# KiCad board VNA.kicad_pcb
title: LibreVNA Kicad PCB; company: LibreVNA
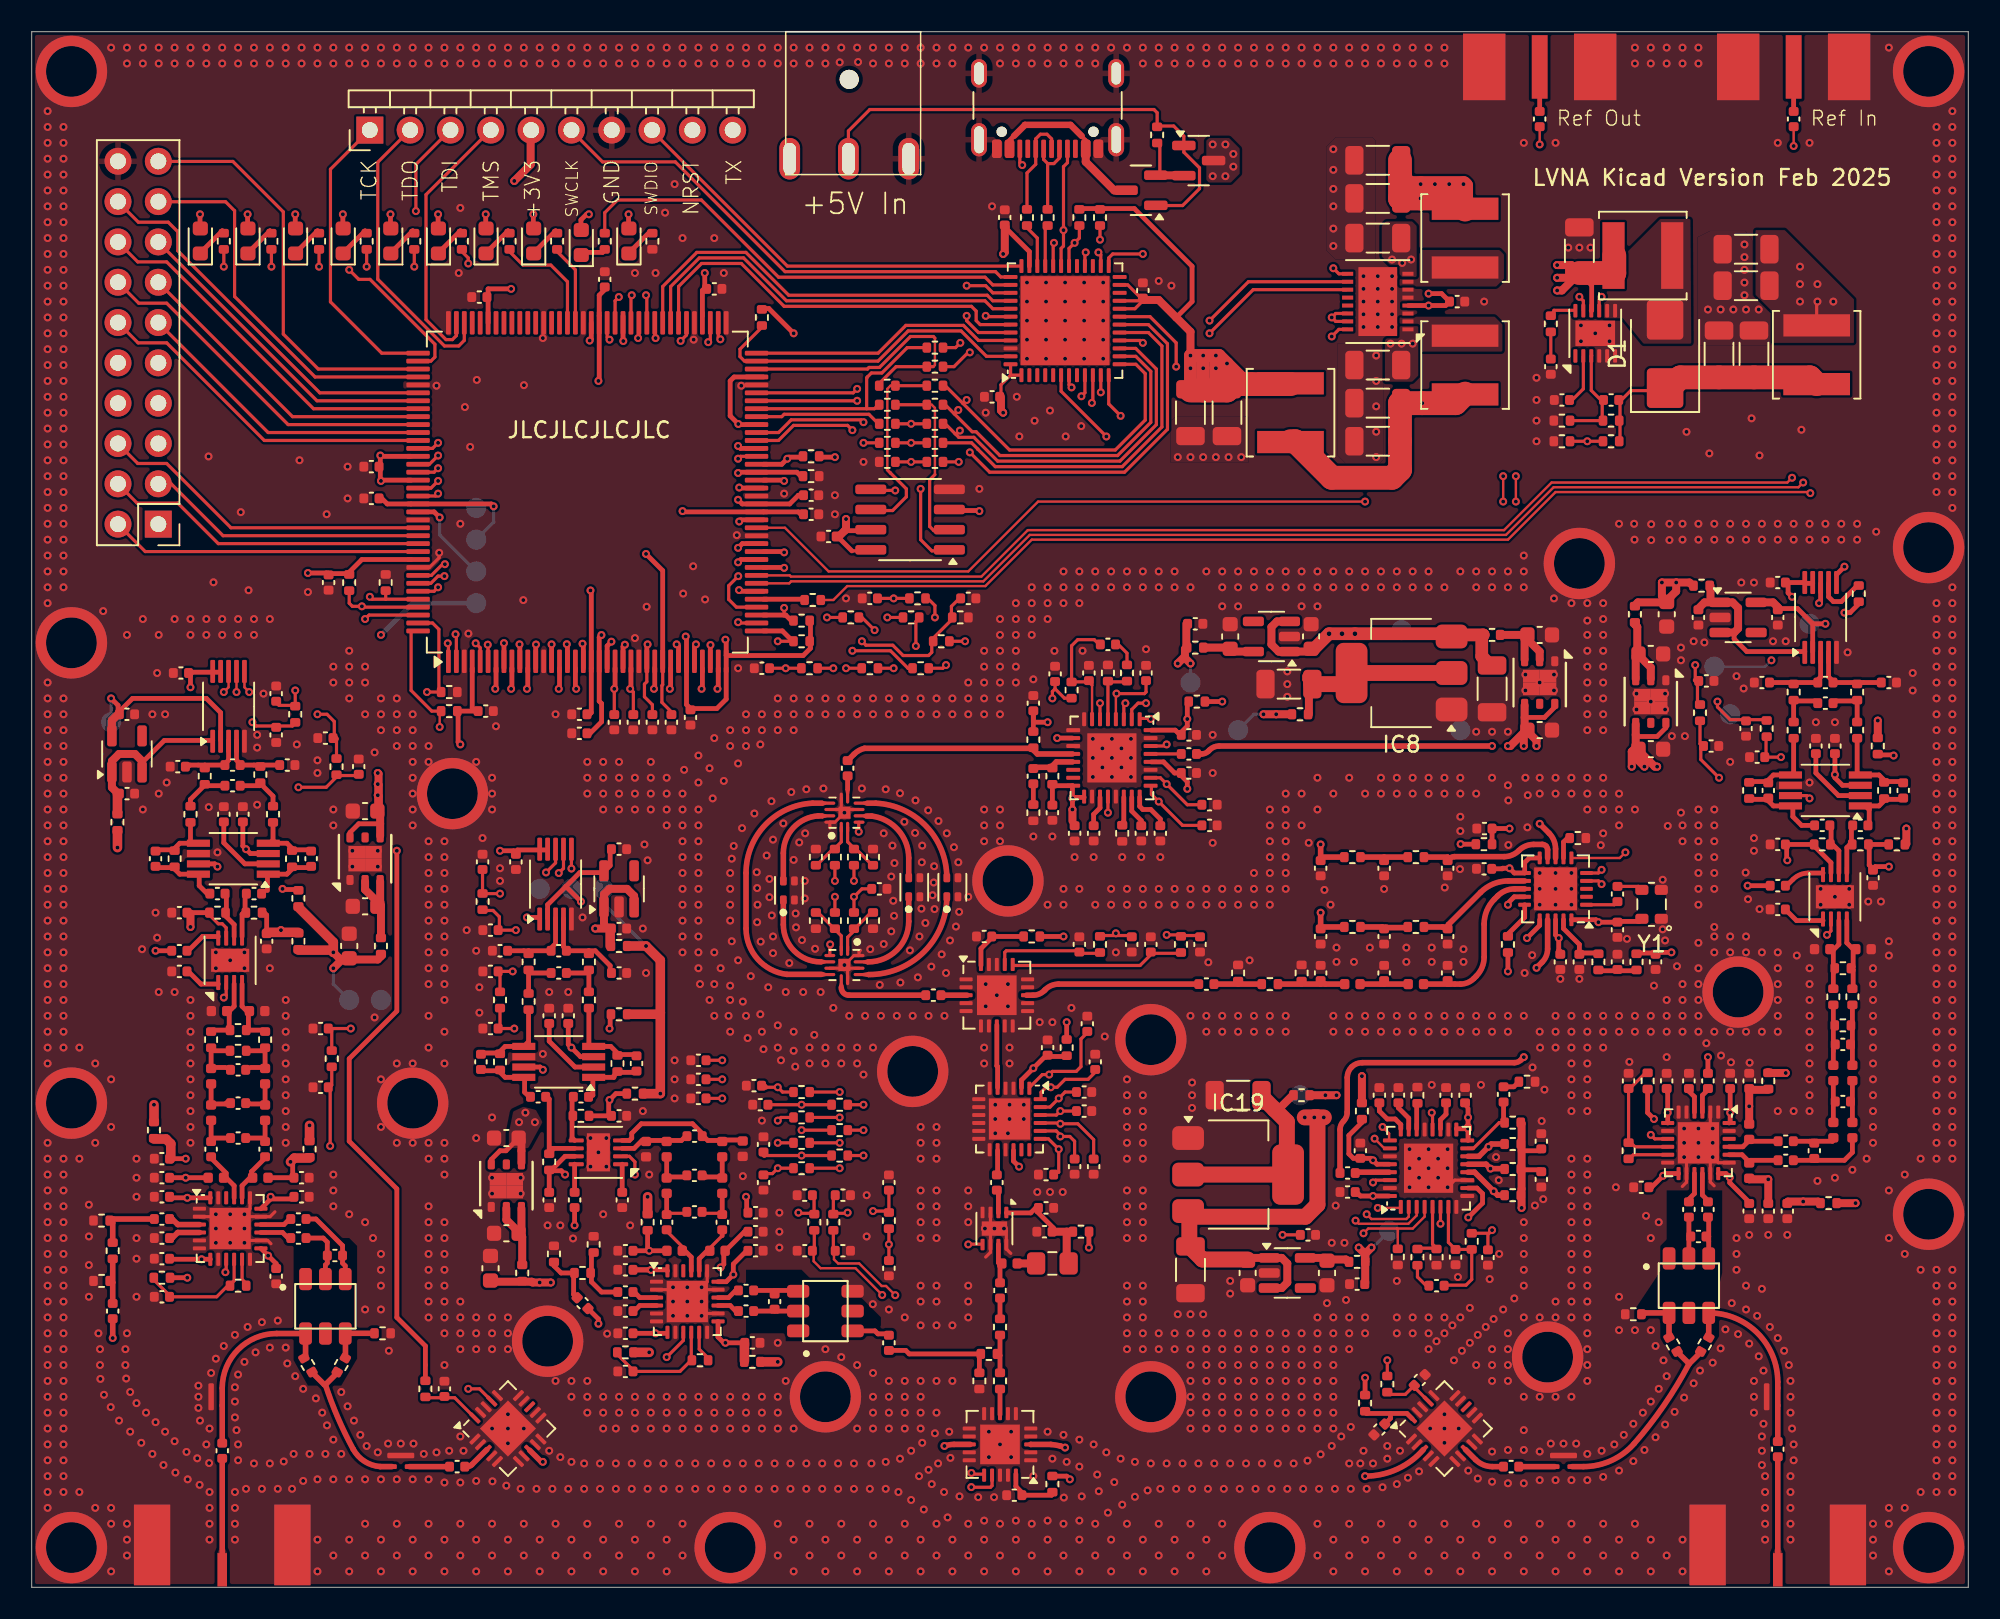
[diagram p0: board, top side]
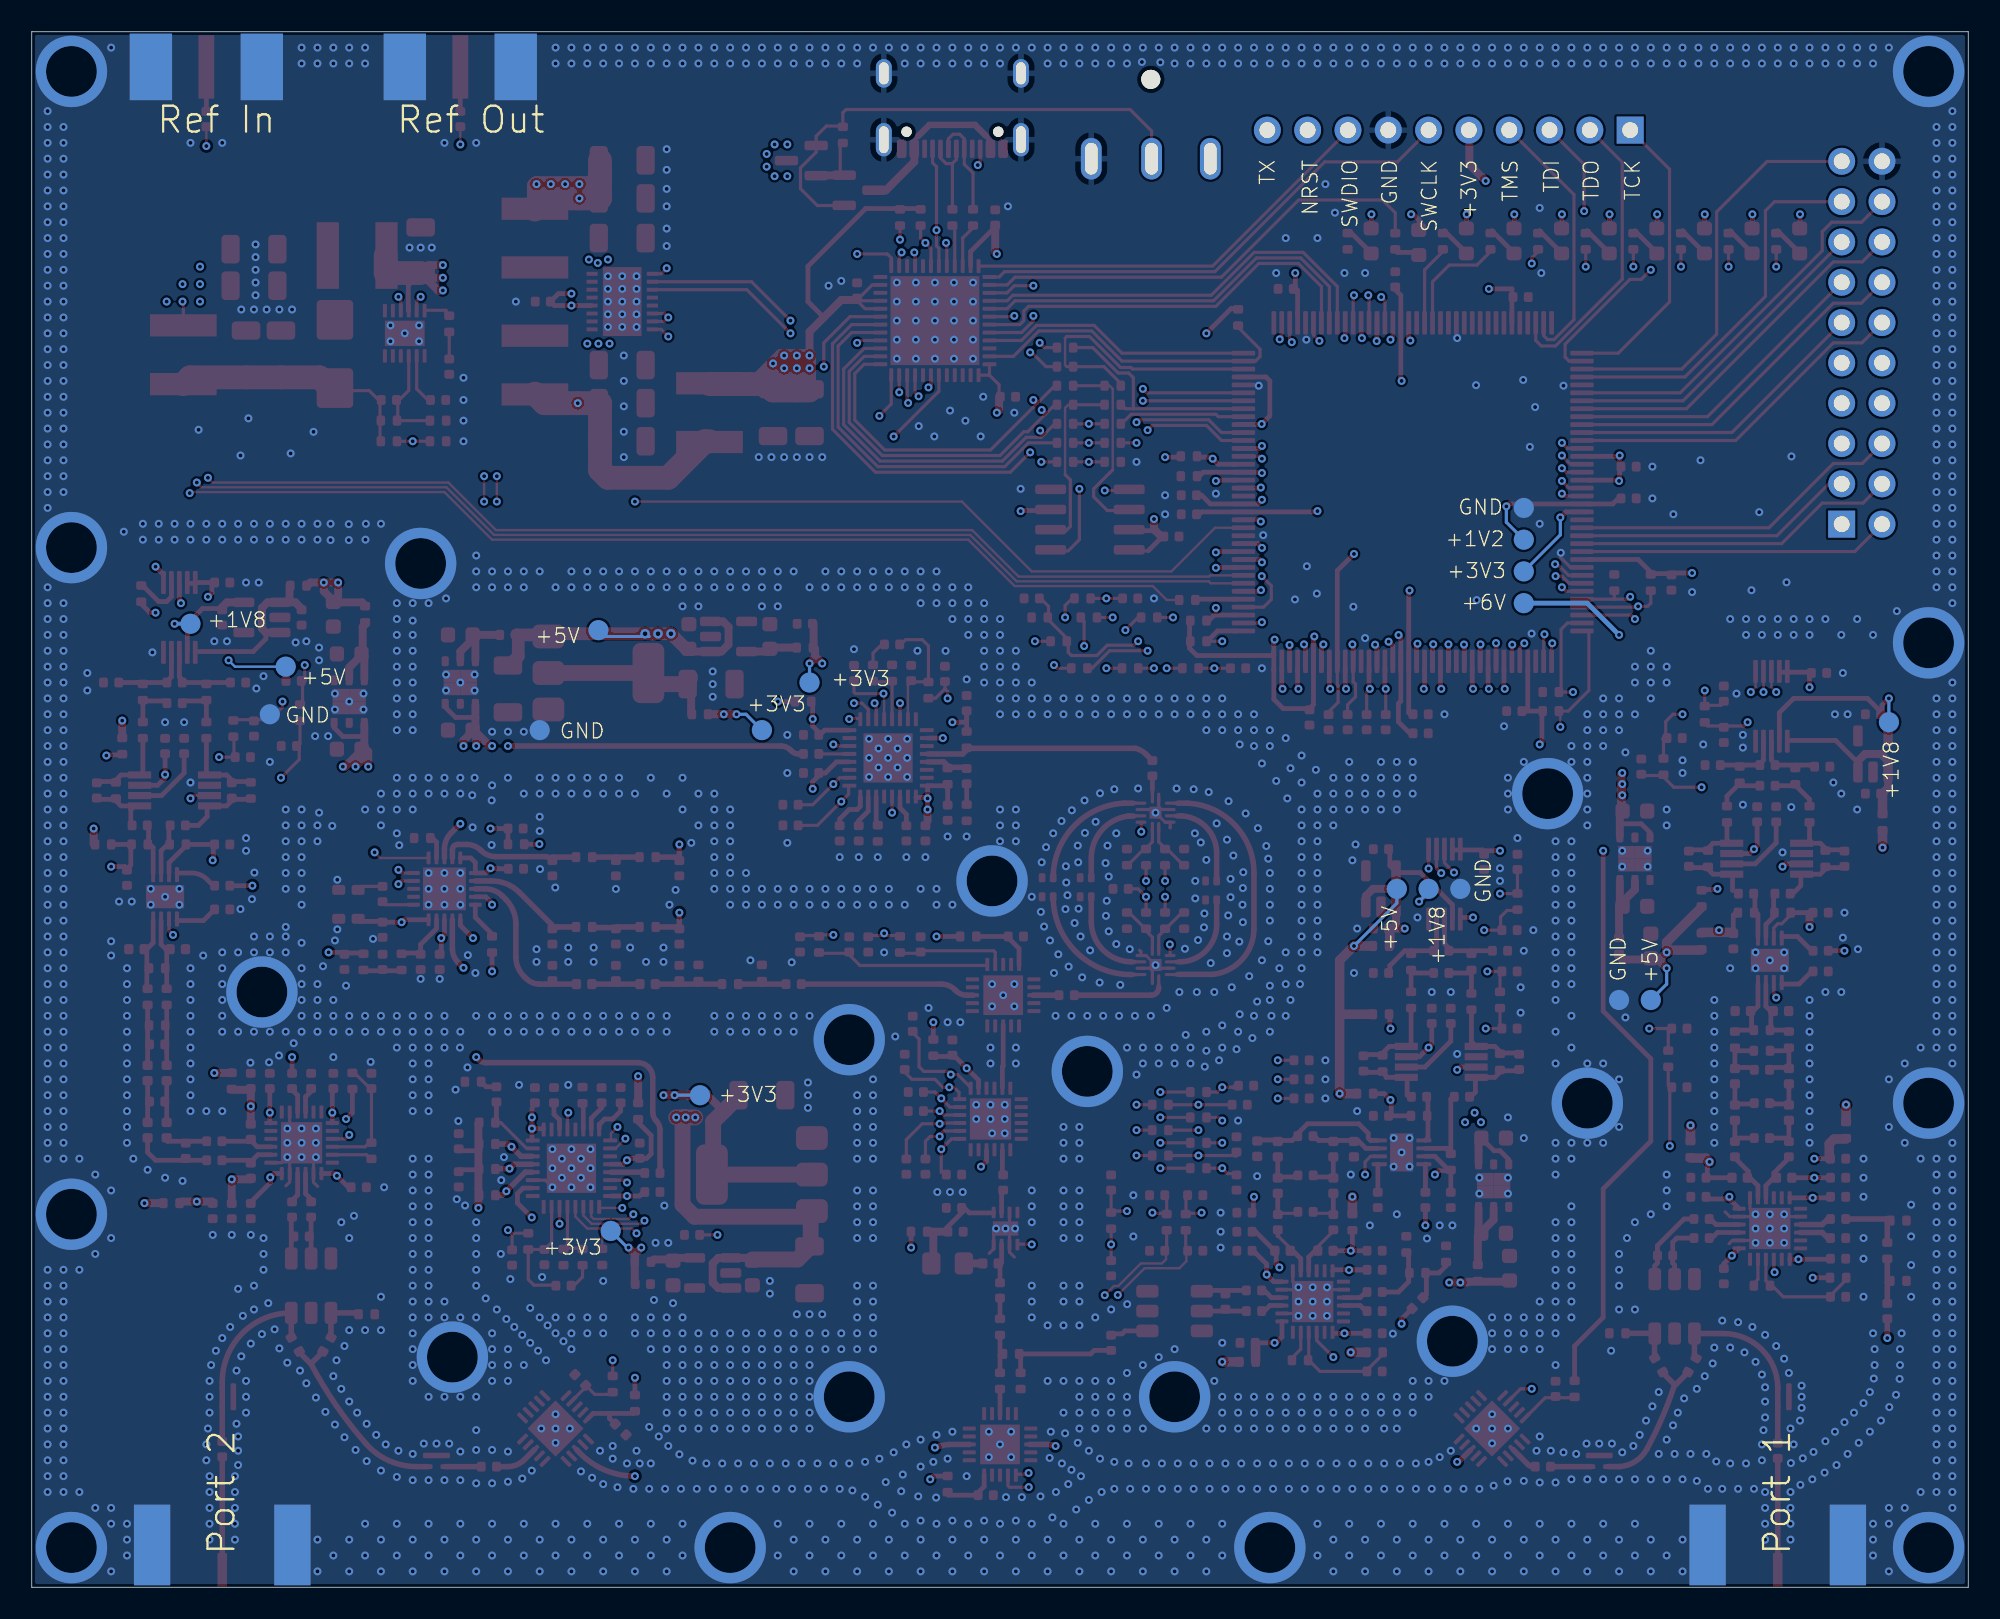
[diagram p1: board, bottom side, seen from below]

Outline 122 x 98 mm; copper layers: Top, In1.Cu, In2.Cu, In3.Cu, In4.Cu, Bottom. Coordinates in mm from the lower left corner of the outline.
Outline path: 0,98 0,0 122,0 122,98 0,98
Stack: Top 0.035mm / dielectric 0.2104mm 7628 er 4.4 / In1.Cu 0.0152mm / dielectric 0.4mm FR4 er 4.6 / In2.Cu 0.0152mm / dielectric 0.2028mm 7628 er 4.4 / In3.Cu 0.0152mm / dielectric 0.4mm FR4 er 4.5 / In4.Cu 0.0152mm / dielectric 0.2104mm 7628 er 4.6 / Bottom 0.035mm

## Placement (name value [footprint] x y rotation side)
C1  10uF  [C_1206_3216Metric]  97.5 84.2 90 top
C2  10uF  [C_1206_3216Metric]  84.8 77 180 top
C3  10uF  [C_1206_3216Metric]  84.8 85 180 top
C4  100nF  [C_0402_1005Metric]  96.4 74.8 0 top
C5  10nF  [C_0402_1005Metric]  95.7 76.9 90 top
C6  100nF  [C_0402_1005Metric]  89.8 81 180 top
C7  10uF  [C_1206_3216Metric]  84.8 89.9 180 top
C8  10uF  [C_1206_3216Metric]  84.8 74.6 180 top
C9  100pF  [C_0402_1005Metric]  99.5 74.8 180 top
C10  10uF  [C_1206_3216Metric]  84.8 87.5 180 top
C11  10uF  [C_1206_3216Metric]  84.8 72.2 180 top
C12  10uF  [C_1206_3216Metric]  108.5 77.7 90 top
C13  10uF  [C_1206_3216Metric]  106.3 77.7 90 top
C14  10uF  [C_1206_3216Metric]  75.3 74 270 top
C15  10uF  [C_1206_3216Metric]  73 74 270 top
C16  10uF  [C_1206_3216Metric]  108 82 180 top
C17  10uF  [C_1206_3216Metric]  108 84.3 180 top
C18  1uF  [C_0603_1608Metric]  21 48.9 0 top
C19  1uF  [C_0603_1608Metric]  102 52.8 180 top
C20  1uF  [C_0603_1608Metric]  29.9 28.3 0 top
C21  1uF  [C_0603_1608Metric]  95 54 180 top
C22  4u7F  [C_0603_1608Metric]  21 42.9 0 top
C23  4u7F  [C_0603_1608Metric]  102 58.8 180 top
C24  4u7F  [C_0603_1608Metric]  29.9 22.3 0 top
C25  4u7F  [C_0603_1608Metric]  95 60 180 top
C26  1uF  [C_0603_1608Metric]  20 40.4 270 top
C27  1uF  [C_0603_1608Metric]  103 61.3 90 top
C28  1uF  [C_0603_1608Metric]  28.9 20.1 270 top
C29  100nF  [C_0402_1005Metric]  91.52 47.8 0 top
C30  10nF  [C_0402_1005Metric]  111 92.5 270 top
C31  100nF  [C_0402_1005Metric]  99.9 41.42 90 top
C32  100nF  [C_0402_1005Metric]  91.5 45.26 0 top
C33  100nF  [C_0402_1005Metric]  96.3 39.4 90 top
C34  100nF  [C_0402_1005Metric]  99.9 43.67 90 top
C35  DNP  [C_0402_1005Metric]  97.5 39.4 270 top  (not fitted)
C36  DNP  [C_0402_1005Metric]  89.2 41 270 top  (not fitted)
C37  DNP  [C_0402_1005Metric]  89.2 45.3 270 top  (not fitted)
C38  56pF  [C_0402_1005Metric]  89.2 38.7 90 top
C39  10nF  [C_0402_1005Metric]  95 92.5 90 top
C40  DNP  [C_0402_1005Metric]  99.9 39.4 90 top  (not fitted)
C41  DNP  [C_0402_1005Metric]  85.2 41 270 top  (not fitted)
C42  DNP  [C_0402_1005Metric]  85.2 45.3 270 top  (not fitted)
C43  180pF  [C_0402_1005Metric]  85.2 38.7 90 top
C44  DNP  [C_0402_1005Metric]  102.3 39.4 270 top  (not fitted)
C45  DNP  [C_0402_1005Metric]  81.2 41 270 top  (not fitted)
C46  DNP  [C_0402_1005Metric]  81.2 45.3 270 top  (not fitted)
C47  56pF  [C_0402_1005Metric]  81.2 38.7 90 top
C48  100nF  [C_0402_1005Metric]  74 38 0 top
C49  10uF  [C_1206_3216Metric]  92 56.6 270 top
C50  1uF  [C_0603_1608Metric]  80.6 59.9 90 top
C51  10nF  [C_0402_1005Metric]  72.9 52.5 180 top
C52  1uF  [C_0603_1608Metric]  75.5 59.9 90 top
C53  10uF  [C_1206_3216Metric]  79.2 56.9 180 top
C54  100nF  [C_0402_1005Metric]  72.9 51.3 0 top
C55  100nF  [C_0402_1005Metric]  72.9 53.7 0 top
C56  100nF  [C_0402_1005Metric]  65.7 47.5 270 top
C57  100nF  [C_0402_1005Metric]  73.3 60.7 0 top
C58  1uF  [C_0402_1005Metric]  71.1 47.5 270 top
C59  1uF  [C_0402_1005Metric]  66.9 47.5 270 top
C60  1uF  [C_0402_1005Metric]  69.9 47.5 270 top
C61  100nF  [C_0402_1005Metric]  64.3 48.8 270 top
C62  100nF  [C_0402_1005Metric]  63.1 51.1 90 top
C63  180pF  [C_0402_1005Metric]  66.6 57.6 90 top
C64  100nF  [C_0402_1005Metric]  63.1 55.7 90 top
C65  100nF/RF  [C_0402_1005Metric]  51.4 51.6 270 top
C66  3n3F  [C_0402_1005Metric]  67.8 59.4 0 top
C67  18pF  [C_0402_1005Metric]  64.47 57.54 270 top
C68  100nF/RF  [C_0402_1005Metric]  56.8 37.3 0 top
C69  100nF  [C_0402_1005Metric]  60 41 180 top
C70  100nF  [C_0402_1005Metric]  64 34 90 top
C71  100nF/RF  [C_0402_1005Metric]  60.8 25.5 270 top
C72  100nF  [C_0402_1005Metric]  63.9 23.9 0 top
C73  100nF  [C_0402_1005Metric]  63.8 22.4 180 top
C74  100nF/RF  [C_0402_1005Metric]  61 18.7 270 top
C75  100nF  [C_0402_1005Metric]  61.9 5.8 180 top
C76  100nF  [C_0402_1005Metric]  26 12.5 90 top
C77  100nF  [C_0402_1005Metric]  84.9 9.94 225 top
C78  10uF  [C_1206_3216Metric]  73 20 270 top
C79  1uF  [C_0603_1608Metric]  76.6 19.8 270 top
C80  10nF  [C_0402_1005Metric]  82.9 26.1 0 top
C81  1uF  [C_0603_1608Metric]  81.6 19.8 270 top
C82  10uF  [C_1206_3216Metric]  76 31 180 top
C83  100nF  [C_0402_1005Metric]  83.7 27.5 90 top
C84  100nF  [C_0402_1005Metric]  82.9 24.9 180 top
C85  100nF  [C_0402_1005Metric]  90.3 31 90 top
C86  100nF  [C_0402_1005Metric]  83.5 19.1 180 top
C87  1uF  [C_0402_1005Metric]  84.9 31 90 top
C88  1uF  [C_0402_1005Metric]  89.1 31 90 top
C89  1uF  [C_0402_1005Metric]  86.1 31 90 top
C90  180pF  [C_0402_1005Metric]  89.7 20.8 270 top
C91  100nF  [C_0402_1005Metric]  95.1 25.7 270 top
C92  3n3F  [C_0402_1005Metric]  88.5 19 0 top
C93  10nF  [C_0402_1005Metric]  92.73 31.05 270 top
C94  100nF  [C_0402_1005Metric]  95.1 28.1 90 top
C95  18pF  [C_0402_1005Metric]  91.74 20.77 90 top
C96  100nF/RF  [C_0402_1005Metric]  26.8 7.6 180 top
C97  100nF  [C_0402_1005Metric]  9.3 38.8 0 top
C98  100nF  [C_0402_1005Metric]  9.3 40.1 0 top
C99  100nF/RF  [C_0402_1005Metric]  12 8.6 90 top
C100  1uF  [C_0402_1005Metric]  11.7 43.7 180 top
C101  1uF  [C_0402_1005Metric]  14 43.7 0 top
C102  100nF  [C_0402_1005Metric]  14.8 40.7 90 top
C103  100nF  [C_0402_1005Metric]  9.3 42.5 0 top
C104  10nF  [C_0402_1005Metric]  8.2 20.7 180 top
C105  10nF  [C_0402_1005Metric]  8.2 24.6 180 top
C106  10nF  [C_0402_1005Metric]  15.4 19.6 270 top
C107  DNP  [C_0402_1005Metric]  19.1 20.9 180 top  (not fitted)
C108  1uF  [C_0402_1005Metric]  8.2 27 180 top
C109  100nF/RF  [C_0402_1005Metric]  16.8 22 180 top
C110  100nF/RF  [C_0402_1005Metric]  16.8 23.2 180 top
C111  10nF  [C_0402_1005Metric]  17 24.6 0 top
C112  DNP  [C_0402_1005Metric]  7.8 45.9 90 top  (not fitted)
C113  DNP  [C_0402_1005Metric]  17.6 45.9 270 top  (not fitted)
C114  100nF  [C_0402_1005Metric]  8.2 23.2 0 top
C115  100nF  [C_0402_1005Metric]  13.3 48.7 270 top
C116  100nF  [C_0402_1005Metric]  12.1 48.7 90 top
C117  100nF  [C_0402_1005Metric]  8.2 22 180 top
C118  100nF  [C_0402_1005Metric]  8.2 18.3 0 top
C119  100nF  [C_0402_1005Metric]  8.2 25.8 180 top
C120  10nF  [C_0402_1005Metric]  14.7 27.6 90 top
C121  330pF  [C_0402_1005Metric]  12.65 50.5 0 top
C122  100nF  [C_0402_1005Metric]  17 25.8 0 top
C123  10nF  [C_0402_1005Metric]  11.3 27.6 90 top
C124  120pF  [C_0402_1005Metric]  13 28.3 180 top
C125  330pF  [C_0402_1005Metric]  9.2 51.7 0 top
C126  330pF  [C_0402_1005Metric]  12.65 51.8 0 top
C127  330pF  [C_0402_1005Metric]  16.1 51.8 0 top
C128  150pF  [C_0402_1005Metric]  13 30.5 180 top
C129  1uF  [C_0402_1005Metric]  6 50 0 top
C130  33pF  [C_0402_1005Metric]  13 32.6 180 top
C131  1uF  [C_0402_1005Metric]  6 55 0 top
C132  100nF  [C_0402_1005Metric]  9.4 57.6 0 top
C133  100nF/RF  [C_0402_1005Metric]  93.2 7.6 0 top
C134  100nF  [C_0402_1005Metric]  110 42.7 0 top
C135  100nF  [C_0402_1005Metric]  110 44.2 0 top
C136  100nF/RF  [C_0402_1005Metric]  110 8.7 90 top
C137  1uF  [C_0402_1005Metric]  112.8 48 180 top
C138  1uF  [C_0402_1005Metric]  115.2 48 0 top
C139  100nF  [C_0402_1005Metric]  110 46.8 0 top
C140  100nF  [C_0402_1005Metric]  116 44.7 90 top
C141  10nF  [C_0402_1005Metric]  101.4 25.2 180 top
C142  10nF  [C_0402_1005Metric]  103 31.9 90 top
C143  10nF  [C_0402_1005Metric]  107 31.9 90 top
C144  DNP  [C_0402_1005Metric]  105 22.1 180 top  (not fitted)
C145  1uF  [C_0402_1005Metric]  110.6 23.7 270 top
C146  100nF/RF  [C_0402_1005Metric]  104.4 23.8 90 top
C147  100nF/RF  [C_0402_1005Metric]  105.6 23.8 90 top
C148  10nF  [C_0402_1005Metric]  108.2 23.7 270 top
C149  DNP  [C_0402_1005Metric]  109.4 50.2 90 top  (not fitted)
C150  DNP  [C_0402_1005Metric]  117.9 50.2 270 top  (not fitted)
C151  100nF  [C_0402_1005Metric]  105.6 31.9 270 top
C152  100nF  [C_0402_1005Metric]  113.6 53 270 top
C153  100nF  [C_0402_1005Metric]  112.4 53 90 top
C154  100nF  [C_0402_1005Metric]  104.4 31.9 90 top
C155  100nF  [C_0402_1005Metric]  100.6 31.9 270 top
C156  100nF  [C_0402_1005Metric]  109.4 23.7 270 top
C157  10nF  [C_0402_1005Metric]  110.5 26.9 0 top
C158  330pF  [C_0402_1005Metric]  113 55.7 0 top
C159  100nF  [C_0402_1005Metric]  108.2 31.9 90 top
C160  10nF  [C_0402_1005Metric]  110.5 28.1 0 top
C161  120pF  [C_0402_1005Metric]  112.3 27.5 90 top
C162  330pF  [C_0402_1005Metric]  109 57 0 top
C163  330pF  [C_0402_1005Metric]  113 57 0 top
C164  330pF  [C_0402_1005Metric]  117 57 0 top
C165  150pF  [C_0402_1005Metric]  114.1 30.6 180 top
C166  1uF  [C_0402_1005Metric]  105 61.1 270 top
C167  33pF  [C_0402_1005Metric]  114.1 34.2 180 top
C168  1uF  [C_0402_1005Metric]  110 61.1 270 top
C169  100nF  [C_0402_1005Metric]  110 63.3 0 top
C170  100nF/RF  [C_0402_1005Metric]  54 15.4 90 top
C171  10nF  [C_0402_1005Metric]  37.4 20 180 top
C172  10nF  [C_0402_1005Metric]  45.6 21.2 0 top
C173  DNP  [C_0402_1005Metric]  28.3 33.1 90 top  (not fitted)
C174  DNP  [C_0402_1005Metric]  38.1 33 270 top  (not fitted)
C175  10nF  [C_0402_1005Metric]  45.4 15.4 0 top
C176  DNP  [C_0402_1005Metric]  46.8 18 270 top  (not fitted)
C177  1uF  [C_0402_1005Metric]  45.6 23.6 0 top
C178  100nF/RF  [C_0402_1005Metric]  45 17.4 180 top
C179  100nF/RF  [C_0402_1005Metric]  45 18.7 180 top
C180  10nF  [C_0402_1005Metric]  37.4 16 180 top
C181  100nF  [C_0402_1005Metric]  33.8 36 270 top
C182  100nF  [C_0402_1005Metric]  32.6 36 90 top
C183  100nF  [C_0402_1005Metric]  37.4 18.6 0 top
C184  330pF  [C_0402_1005Metric]  33.2 38.7 0 top
C185  100nF  [C_0402_1005Metric]  37.4 17.4 180 top
C186  100nF  [C_0402_1005Metric]  37.4 13.6 0 top
C187  330pF  [C_0402_1005Metric]  29.5 40.1 0 top
C188  330pF  [C_0402_1005Metric]  33.2 40.1 0 top
C189  330pF  [C_0402_1005Metric]  37 38.7 0 top
C190  100nF  [C_0402_1005Metric]  37.4 21.2 180 top
C191  10nF  [C_0402_1005Metric]  43.5 23 90 top
C192  10nF  [C_0402_1005Metric]  40 23 90 top
C193  100nF  [C_0402_1005Metric]  45.6 22.4 0 top
C194  120pF  [C_0402_1005Metric]  41.75 23.65 180 top
C195  1uF  [C_0402_1005Metric]  37 41.5 0 top
C196  150pF  [C_0402_1005Metric]  41.75 25.95 180 top
C197  33pF  [C_0402_1005Metric]  41.76 28.42 180 top
C198  1uF  [C_0402_1005Metric]  37 46.5 0 top
C199  100nF  [C_0402_1005Metric]  37.2 24.4 90 top
C200  100nF  [C_0402_1005Metric]  34.2 24.4 90 top
C201  100nF  [C_0402_1005Metric]  30.5 45.7 90 top
C202  1uF  [C_0402_1005Metric]  31.9 30.9 180 top
C203  1uF  [C_0402_1005Metric]  34.6 30.9 0 top
C204  100nF  [C_0402_1005Metric]  37 29.7 180 top
C205  100nF  [C_0402_1005Metric]  32.6 24.4 90 top
C206  100nF  [C_0402_1005Metric]  60.5 75 180 top
C207  100nF  [C_0402_1005Metric]  70 81.7 90 top
C208  100nF  [C_0402_1005Metric]  61.3 86.3 90 top
C209  100nF  [C_0402_1005Metric]  50.2 66.2 180 top
C210  100nF  [C_0402_1005Metric]  34.5 53.8 180 top
C211  100nF  [C_0402_1005Metric]  18.7 63.3 270 top
C212  100nF  [C_0402_1005Metric]  21.4 68.6 180 top
C213  100nF  [C_0402_1005Metric]  36.1 82.4 90 top
C214  100nF  [C_0402_1005Metric]  41.5 54.8 270 top
C215  100nF  [C_0402_1005Metric]  43 81.8 0 top
C216  100nF  [C_0402_1005Metric]  40.3 54.5 270 top
C217  100nF  [C_0402_1005Metric]  28.2 81.28 180 top
C218  100nF  [C_0402_1005Metric]  49.1 68.8 0 top
C219  100nF  [C_0402_1005Metric]  21.4 70.6 180 top
C220  100nF  [C_0402_1005Metric]  49.1 67.6 0 top
C221  100nF  [C_0402_1005Metric]  28.6 55.2 0 top
C222  100nF  [C_0402_1005Metric]  34.5 55 180 top
C223  100pF  [C_0402_1005Metric]  28.4 45.7 90 top
C224  100pF  [C_0402_1005Metric]  28.9 41.4 180 top
C225  100pF  [C_0402_1005Metric]  28.9 38.8 180 top
C226  100pF  [C_0402_1005Metric]  28.9 35.2 180 top
C227  100pF  [C_0402_1005Metric]  15.4 56.3 90 top
C228  100pF  [C_0402_1005Metric]  15.4 53.7 270 top
C229  100pF  [C_0402_1005Metric]  18.5 53.5 180 top
C230  100pF  [C_0402_1005Metric]  20.6 51.7 90 top
C231  100pF  [C_0402_1005Metric]  108.7 52.3 180 top
C232  100pF  [C_0402_1005Metric]  108 54.1 270 top
C233  100pF  [C_0402_1005Metric]  105.8 53 0 top
C234  100pF  [C_0402_1005Metric]  105.5 57.1 0 top
C235  100pF  [C_0402_1005Metric]  80.4 22.2 0 top
C236  100pF  [C_0402_1005Metric]  87.44 13.06 45 top
C237  100pF  [C_0402_1005Metric]  48.7 24.7 180 top
C238  100pF  [C_0402_1005Metric]  48.7 21.2 180 top
C239  100pF  [C_0402_1005Metric]  51.1 24.7 0 top
C240  100pF  [C_0402_1005Metric]  51.1 21.2 0 top
C241  100pF  [C_0402_1005Metric]  18.2 35.2 180 top
C242  100pF  [C_0402_1005Metric]  18.2 31.5 180 top
C243  100pF  [C_0402_1005Metric]  54 25.5 90 top
C244  100pF  [C_0402_1005Metric]  54 20.1 270 top
C245  100pF  [C_0402_1005Metric]  69.3 40.5 270 top
C246  100pF  [C_0402_1005Metric]  66 40.5 90 top
C247  100pF  [C_0402_1005Metric]  73.6 40.5 270 top
C248  100pF  [C_0402_1005Metric]  70.5 40.5 90 top
C249  100pF  [C_0402_1005Metric]  45.5 31.6 180 top
C250  100pF  [C_0402_1005Metric]  66.5 35.5 90 top
C251  100pF  [C_0402_1005Metric]  45.9 30.4 180 top
C252  100pF  [C_0402_1005Metric]  67 33.1 90 top
C253  100pF  [C_0402_1005Metric]  42 33.2 180 top
C254  100pF  [C_0402_1005Metric]  66.3 31.2 0 top
C255  100pF  [C_0402_1005Metric]  42 32 180 top
C256  100pF  [C_0402_1005Metric]  66.3 30 0 top
C257  100pF  [C_0402_1005Metric]  63.9 26 180 top
C258  100pF  [C_0402_1005Metric]  46.1 25.5 270 top
C259  100pF  [C_0402_1005Metric]  65.7 26.5 270 top
C260  100pF  [C_0402_1005Metric]  46.1 27.9 90 top
C261  100pF  [C_0402_1005Metric]  66.9 26.5 270 top
C262  100pF  [C_0402_1005Metric]  42 30.8 180 top
C263  100pF  [C_0402_1005Metric]  39.1 54.5 270 top
C264  100pF  [C_0402_1005Metric]  37.9 54.5 270 top
C265  100pF  [C_0402_1005Metric]  53.4 44 0 top
C266  100pF  [C_0402_1005Metric]  36.7 54.5 270 top
C267  100pF  [C_0402_1005Metric]  59 62.3 0 top
C268  100pF  [C_0402_1005Metric]  70.2 57.6 90 top
C269  100nF  [C_0402_1005Metric]  5.1 17.4 90 top
C270  100nF  [C_0402_1005Metric]  34.7 17.9 135 top
C271  100pF  [C_0402_1005Metric]  52.8 62.3 180 top
C272  100pF  [C_0402_1005Metric]  74.2 49.3 0 top
C273  100pF  [C_0402_1005Metric]  46 57.9 180 top
C274  100pF  [C_0402_1005Metric]  74.2 48 0 top
D1  MBRS2040LT3G  [D_SMB]  102.9 77.7 90 top
IC1  MIC2253  [DFN-12-1EP_3x3mm_P0.5mm_EP1.6x2.5mm]  98.5 79 90 top
IC2  LM3370  [DFN-16-1EP_4x5mm_P0.5mm_EP2.44x4.34mm]  84.8 81 180 top
IC3  LDL212PU50R  [WSON-6-1EP_3x3mm_P0.95mm]  21 45.9 90 top
IC4  LDL212PU50R  [WSON-6-1EP_3x3mm_P0.95mm]  102 55.8 270 top
IC5  LDL212PU50R  [WSON-6-1EP_3x3mm_P0.95mm]  29.9 25.3 90 top
IC6  LDL212PU50R  [WSON-6-1EP_3x3mm_P0.95mm]  95 57 270 top
IC7  SI5351C  [QFN-20-1EP_4x4mm_P0.5mm_EP2.7x2.7mm]  96 44 180 top
IC8  AP2114H  [SOT-223-3_TabPin2]  86.3 57.6 180 top
IC9  NCP702-3.3  [SOT-23-5]  78.1 59.9 180 top
IC10  MAX2871  [QFN-32-1EP_5x5mm_P0.5mm_EP3.1x3.1mm]  68.05 52.25 270 top
IC11  RFSW6042  [QFN40P180X180X55-13T76N]  51.2 48.8 90 top
IC12  RFSW6042  [QFN40P180X180X55-13T76N]  51.2 39.2 270 top
IC13  QPC6324  [QFN-20-1EP_4x4mm_P0.5mm_EP2.5x2.5mm]  60.8 37.3 0 top
IC14  RFSA3714  [QFN-24-1EP_4x4mm_P0.5mm_EP2.6x2.6mm]  61.6 29.5 270 top
IC15  TRF37A73  [DFN-8-1EP_2x2mm_P0.5mm_EP0.9x1.6mm]  60.65 22.6 270 top
IC16  QPC6324  [QFN-20-1EP_4x4mm_P0.5mm_EP2.5x2.5mm]  61 9 180 top
IC17  QPC6324  [QFN-20-1EP_4x4mm_P0.5mm_EP2.5x2.5mm]  89 10 45 top
IC18  QPC6324  [QFN-20-1EP_4x4mm_P0.5mm_EP2.5x2.5mm]  30 10 45 top
IC19  AP2114H  [SOT-223-3_TabPin2]  76 26 0 top
IC20  NCP702-3.3  [SOT-23-5]  79.1 19.8 0 top
IC21  MAX2871  [QFN-32-1EP_5x5mm_P0.5mm_EP3.1x3.1mm]  88 26.4 90 top
IC22  LT5560  [WSON-8-1EP_3x3mm_P0.5mm_EP1.45x2.4mm]  12.5 39.5 90 top
IC23  THS4521IDGKR  [VSSOP-8_3.0x3.0mm_P0.65mm]  12.7 45.9 180 top
IC24  ADL5801  [QFN-24-1EP_4x4mm_P0.5mm_EP2.6x2.6mm]  12.5 22.6 0 top
IC25  NCP702-1.8  [SOT-23-5]  6 52.5 90 top
IC26  MCP33131D-10-E/MS  [VSSOP-10_3x3mm_P0.5mm]  12.4 55.5 90 top
IC27  LT5560  [WSON-8-1EP_3x3mm_P0.5mm_EP1.45x2.4mm]  113.6 43.5 90 top
IC28  THS4521IDGKR  [VSSOP-8_3.0x3.0mm_P0.65mm]  113 50.2 180 top
IC29  ADL5801  [QFN-24-1EP_4x4mm_P0.5mm_EP2.6x2.6mm]  105 28 270 top
IC30  NCP702-1.8  [SOT-23-5]  107.5 61.1 0 top
IC31  MCP33131D-10-E/MS  [VSSOP-10_3x3mm_P0.5mm]  112.7 61.1 90 top
IC32  THS4521IDGKR  [VSSOP-8_3.0x3.0mm_P0.65mm]  33.2 33.1 180 top
IC33  ADL5801  [QFN-24-1EP_4x4mm_P0.5mm_EP2.6x2.6mm]  41.3 18 0 top
IC34  NCP702-1.8  [SOT-23-5]  37 44 90 top
IC35  MCP33131D-10-E/MS  [VSSOP-10_3x3mm_P0.5mm]  33 44.3 90 top
IC36  LT5560  [WSON-8-1EP_3x3mm_P0.5mm_EP1.45x2.4mm]  35.7 27.4 180 top
IC37  STM32G431CB  [QFN-48-1EP_7x7mm_P0.5mm_EP5.6x5.6mm]  65.1 79.8 90 top
J1  -  [PJ-014D]  56 98 180 top
J2  SMA  [BU-1420701851]  12 0.1 90 top
J3  SMA  [BU-1420701851]  110 0.1 90 top
J4  USB_C_Receptacle_USB2.0_16P  [USB_C_Receptacle_GCT_USB4105-xx-A_16P_TopMnt_Horizontal]  64 94.3 180 top
JP1  DNP  [PinHeader_1x10_P2.54mm_Horizontal]  21.3 91.8 90 top  (not fitted)
JP2  DNP  [PinHeader_2x10_P2.54mm_Vertical]  7.97 66.98 180 top  (not fitted)
L1  2.2uH  [L_Sunlord_SWPA5040S]  101.5 83.9 0 top
L2  2.2uH  [L_Sunlord_SWPA5040S]  90.3 85 90 top
L3  2.2uH  [L_Sunlord_SWPA5040S]  90.3 77 270 top
L4  2.2uH  [L_Sunlord_SWPA5040S]  79.3 74 90 top
L5  2.2uH  [L_Sunlord_SWPA5040S]  112.45 77.65 90 top
L6  FERRITE  [R_0402_1005Metric]  22 40.4 270 top
L7  FERRITE  [R_0402_1005Metric]  101 61.3 90 top
L8  FERRITE  [R_0402_1005Metric]  30.9 19.8 270 top
L9  FERRITE  [R_0402_1005Metric]  92 60 180 top
L10  FERRITE  [R_0402_1005Metric]  91.49 46.81 180 top
L11  10uH  [L_0805_2012Metric_Pad1.15x1.40mm_HandSolder]  64.3 20.4 180 top
L12  FERRITE  [R_0402_1005Metric]  16.8 40.7 270 top
L13  FERRITE  [R_0402_1005Metric]  5.4 48.2 270 top
L14  330nH  [L_0402_1005Metric]  87.2 38 180 top
L15  FERRITE  [R_0402_1005Metric]  16.8 43.4 270 top
L16  FERRITE  [R_0402_1005Metric]  17.5 27.6 90 top
L17  FERRITE  [R_0402_1005Metric]  7.7 28.8 90 top
L18  330nH  [L_0402_1005Metric]  83.2 38 180 top
L19  FERRITE  [R_0402_1005Metric]  79.9 55 180 top
L20  FERRITE  [R_0402_1005Metric]  73.3 59.2 180 top
L21  FERRITE  [R_0402_1005Metric]  63 41 180 top
L22  FERRITE  [R_0402_1005Metric]  65.2 34 270 top
L23  FERRITE  [R_0402_1005Metric]  66.1 22.4 180 top
L24  330nH  [L_0402_1005Metric]  61.6 20.4 180 top
L25  FERRITE  [R_0402_1005Metric]  64.3 6.5 90 top
L26  FERRITE  [R_0402_1005Metric]  84 11.6 270 top
L27  FERRITE  [R_0402_1005Metric]  24.8 12.5 270 top
L28  FERRITE  [R_0402_1005Metric]  80 31 0 top
L29  FERRITE  [R_0402_1005Metric]  83.5 20.5 0 top